# Altium PCB SoDeRa-PCIe_1v0.PcbDoc (part 8 of 8)
Units mm, origin at the board's own origin, x right, y up, seen from the top; angles counter-clockwise.
Board outline 136.85 x 68.9 mm, 12 copper layers (Top, L2, L3, L4, L5, L6, L7, L8, L9, L10, L11, Bottom), stack 1.638 mm thick; 750 components, 495 nets, 3617 pads, 1756 vias.
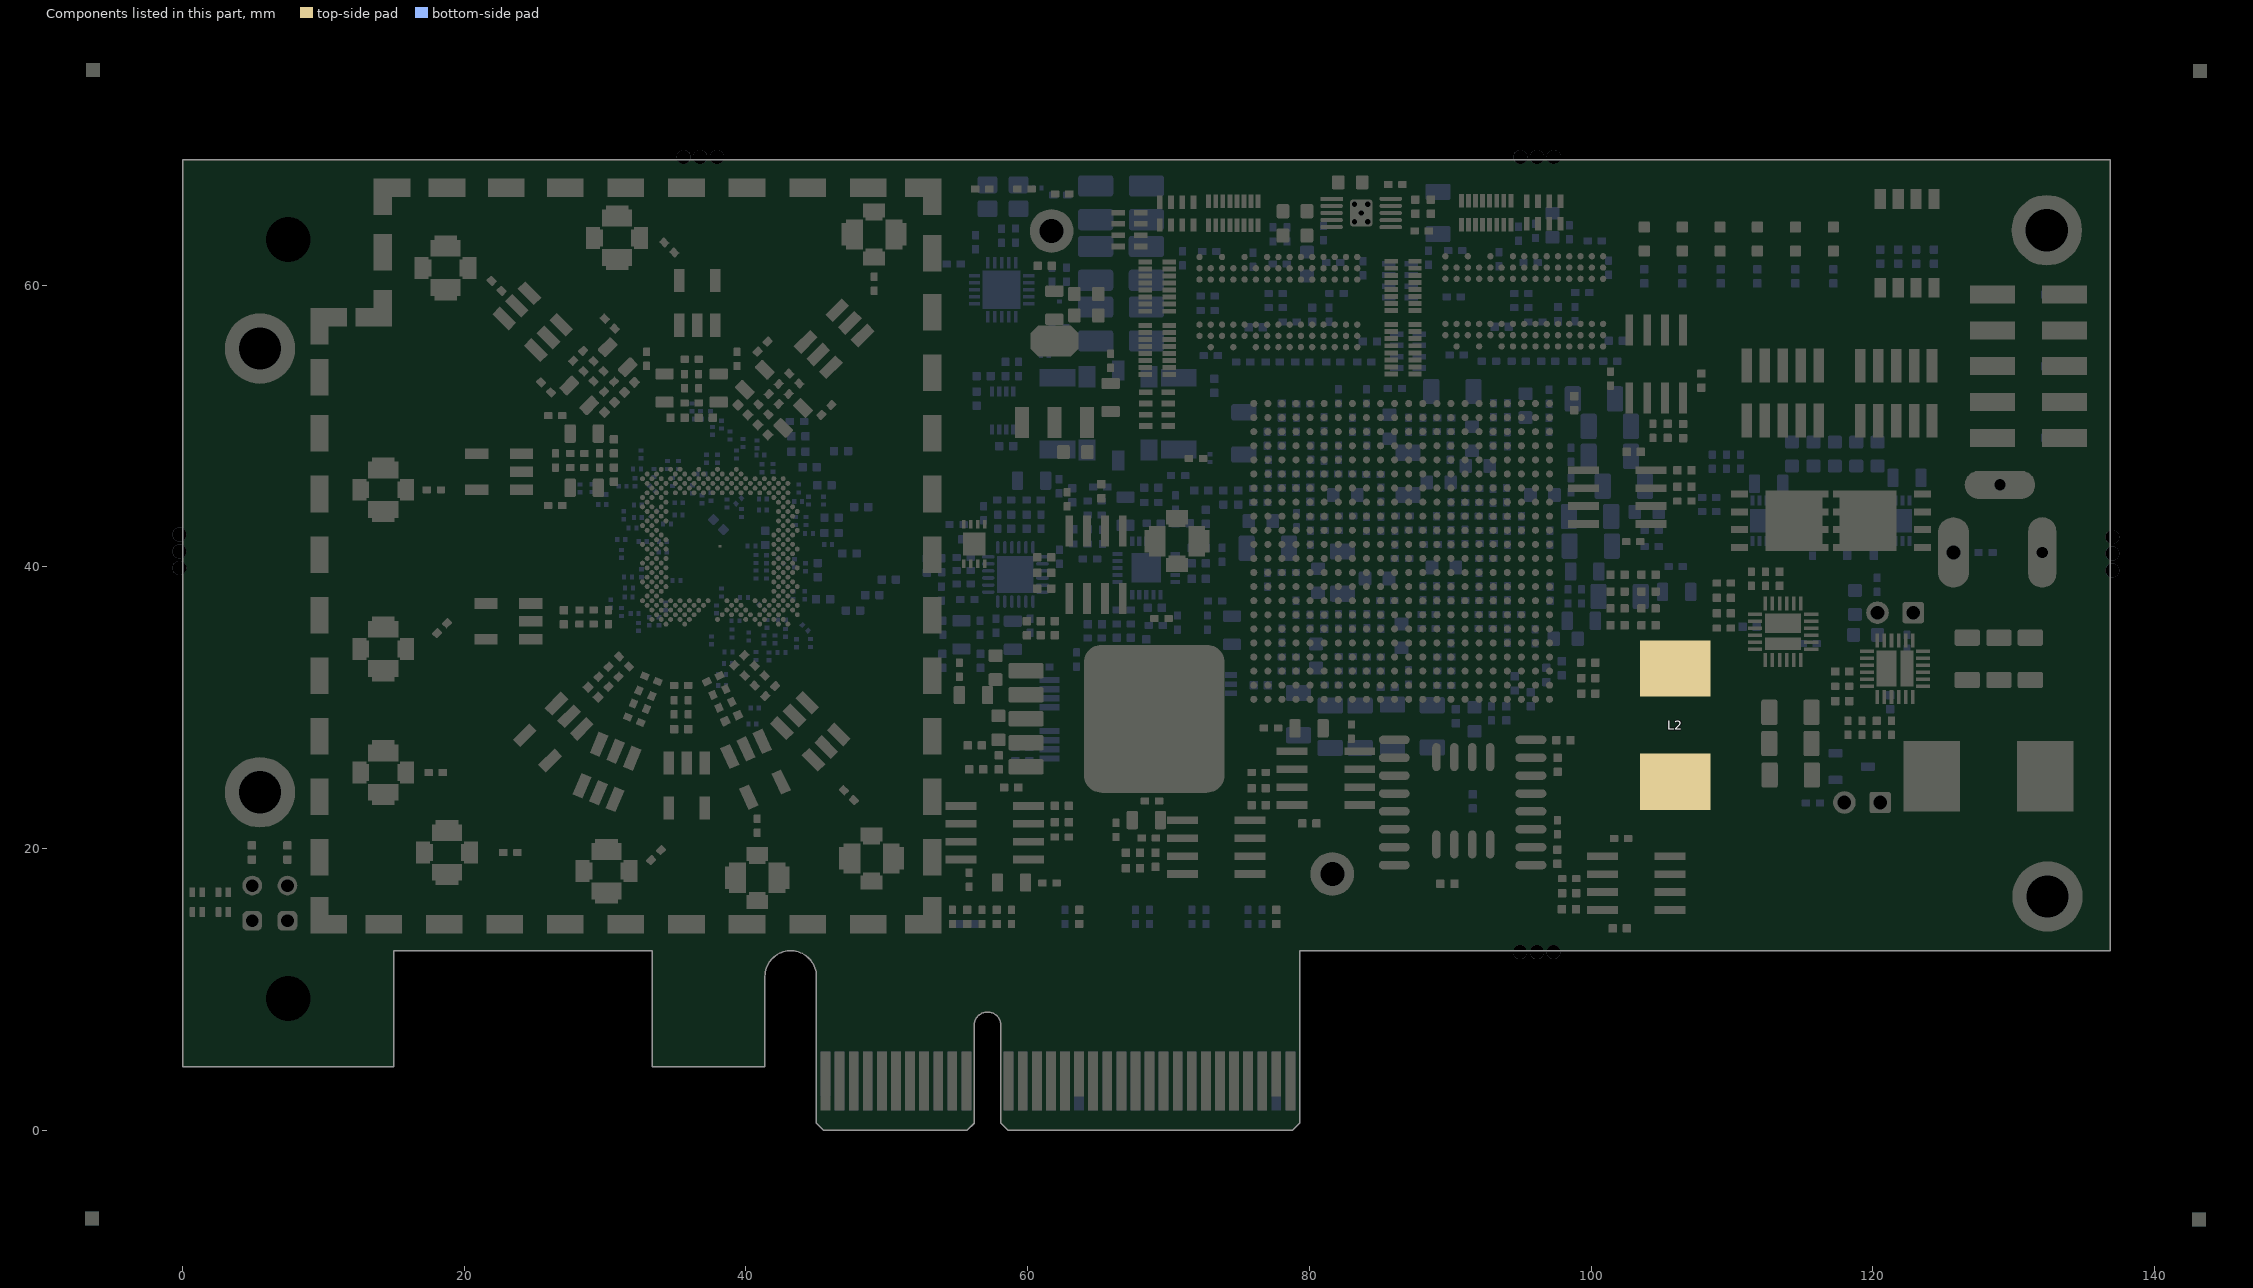
[diagram p18: the components of this part, seen from the top]

## Other copper
Top:
  region net NetC350_1: 124.275,44.45 124.275,45.475 124.175,45.575 123.9,45.575 123.775,45.7 123.775,46.975 124.75,46.975 127.275,44.45
  region net VCC3P3_PCIE: 53,6.275 53.825,7.1 53.825,8.45 53.6,8.675 52.525,8.675 52.3,8.45 52.3,6.85 52.325,6.85 52.9,6.275
  pour cut-out: 10.375,15.275 10.375,57.075 14.875,57.075 14.875,66.275 52.6,66.275 52.6,15.225
  region net VREF_DDR2: 84.975,64.15 84.975,63.925 85.475,63.425 87.7,63.425 87.775,63.5 87.775,64.2 87.7,64.275 85.1,64.275
  region net VCC3P3: 81.899,27.787 81.9,25.65 81.7,25.45 80.8,25.45 80.574,25.675 80.574,27.787
  region net NetC350_1: 122.9,44.45 122.5,44.05 122.5,38.4 123.2,37.7 127.4,37.7 128,38.3 128,43.975 127.525,44.45
  region net VCC12P0_PCIE: 48,5.55 48,8.95 47.425,9.525 45.875,9.525 45.3,8.95 45.3,5.55
  region net VCC1P8_DDR2: 80.85,65.475 80.525,65.8 80.525,66.25 80.825,66.55 80.825,67.575 81.05,67.8 82.475,67.8 82.775,67.5 82.775,65.875 82.375,65.475
  region net VTT_DDR2: 78.975,63.475 78.975,65.45 79.375,65.85 80.25,65.85 80.825,65.275 82.075,65.275 82.075,64.975 80.85,64.975 80.65,64.775 80.65,64.475 80.85,64.275 81.9,64.275 82.187,63.987 81.225,63.025 79.425,63.025
  region net NetC385_1: 111.625,38.9 111.625,37.275 112.125,36.775 112.125,36.525 111.125,36.525 110.3,37.35 109.625,37.35 109.625,38.1 110.175,38.1 110.975,38.9
  region net NetC374_2: 112.125,34.775 112.35,35 114.9,35 115.125,34.775 115.35,34.775 115.35,34.525 115.125,34.525 114.7,34.1 112.7,34.1 112.5,33.9 112.5,32.05 111.2,30.75 104.475,30.75 104.475,34.675 104.575,34.775
  region net VCC1P2: 113.4,30.55 113.05,30.9 111.85,30.9 110.525,29.575 104.725,29.575 103.45,28.3 103.45,22.7 112.35,22.7 113.4,23.75
  region net VCC1P8_LMS: 27.22,44.103 27.92,44.803 27.92,46.128 27.77,46.278 26.97,46.278 26.645,45.953 26.645,44.103
  region net GND: 25.945,44.103 25.645,43.803 25.22,43.803 25.095,43.928 25.095,44.778 25.22,44.903 25.645,44.903 25.945,44.603
  region net VCC1P8_LMS: 45.343,50.409 44.353,50.409 43.416,51.346 43.416,51.558 43.982,52.123 44.442,52.123 45.75,50.815
  region net VCC1P8_LMS: 27.22,51.002 27.92,50.302 27.92,48.977 27.77,48.827 26.97,48.827 26.645,49.152 26.645,51.002
  region net VCC1P8_LMS: 31.05,56.899 31.05,55.909 30.113,54.972 29.901,54.972 29.335,55.538 29.335,55.997 30.644,57.306
  region net GND: 29.796,57.448 29.371,57.448 29.071,57.748 29.071,57.925 29.672,58.526 29.849,58.526 30.149,58.225 30.149,57.801
  region net GND: 32.695,55.276 32.395,55.576 32.395,56.001 32.52,56.126 33.37,56.126 33.495,56.001 33.495,55.576 33.195,55.276
  region net VCC1P8_LMS: 32.695,54.001 33.395,53.301 34.72,53.301 34.87,53.451 34.87,54.251 34.545,54.576 32.695,54.576
  region net VCC1P8_LMS: 40.465,55.287 40.465,54.297 41.402,53.36 41.614,53.36 42.18,53.926 42.18,54.386 40.872,55.694
  region net GND: 41.367,56.189 41.367,56.613 41.667,56.913 41.844,56.913 42.445,56.312 42.445,56.136 42.144,55.835 41.72,55.835
  region net GND: 39.095,55.276 38.795,55.576 38.795,56.001 38.92,56.126 39.77,56.126 39.895,56.001 39.895,55.576 39.595,55.276
  region net VCC1P8_LMS: 39.594,54.001 38.894,53.301 37.569,53.301 37.419,53.451 37.419,54.251 37.744,54.576 39.594,54.576
  region net RXRF2_HAB_N: 34.999,35.531 35.024,35.731 34.924,35.631
  region net GND: 45.892,51.663 45.892,52.087 46.193,52.388 46.369,52.388 46.97,51.787 46.97,51.61 46.67,51.31 46.246,51.31
  region net GND: 42.124,40.606 41.424,40.606 41.424,41.106 41.724,41.106
  region net GND: 25.945,50.503 25.645,50.203 25.22,50.203 25.095,50.328 25.095,51.178 25.22,51.303 25.645,51.303 25.945,51.003
  region net VCC1P8_LMS: 26.172,52.021 27.162,52.021 28.099,52.957 28.099,53.17 27.533,53.735 27.073,53.735 25.765,52.427
  region net GND: 25.27,52.922 24.846,52.922 24.545,53.223 24.545,53.399 25.146,54 25.323,54 25.624,53.7 25.624,53.276
  region net RXRF2_WAB_N: 33.274,36.651 33.099,36.701 33.099,36.651
  region net RXRF2_WAB_N: 33.274,36.556 33.099,36.506 33.099,36.556
  region net RXRF2_HAB_P: 34.649,35.931 34.524,35.731 34.649,35.731
  region net TXRF1_1AB_P: 34.686,47.231 34.761,47.231 34.861,47.131
  region net TXRF2_1AB_P: 36.24,47.231 36.215,47.506 36.24,47.506
  region net TXRF2_1AB_N: 36.049,47.231 36.074,47.506 36.049,47.506
  region net TXRF2_1AB_P: 36.365,47.206 36.415,47.556 36.365,47.556
  region net TXRF2_1AB_N: 35.924,47.181 35.874,47.531 35.924,47.531
  region net NetC354_2: 122.199,31.276 121.974,31.501 121.974,34.051 122.199,34.276 122.199,34.501 122.449,34.501 122.449,34.276 122.874,33.851 122.874,31.851 123.074,31.651 124.374,31.651 126.179,29.846 126.179,23.626 122.299,23.626 122.199,23.726
  region net VCC3P3: 126.18,32.551 125.904,32.274 125.904,30.95 127.874,28.979 127.874,23.401 128.626,22.649 134.204,22.649 134.204,30.999 132.653,32.551
  region net NetC367_1: 118.324,30.776 119.699,30.776 120.199,31.276 120.449,31.276 120.449,30.276 119.474,29.301 119.474,28.926 118.974,28.926 118.974,29.526 118.324,30.176
  region net VCC12P0: 120.074,33.401 120.074,34.151 120.199,34.276 121.449,34.276 121.449,35.576 120.824,36.201 120.824,37.726 118.999,37.726 118.999,33.401
  region net GND: 31.925,64.16 31.925,66.01 31.65,66.285 29.65,66.285 28.1,64.735 28.1,63.36 29.875,63.36 29.875,64.16
  region net GND: 31.925,62.56 31.925,60.71 31.65,60.435 29.65,60.435 28.1,61.985 28.1,63.36 29.875,63.36 29.875,62.56
  region net GND: 48.3,62.525 46.45,62.525 46.175,62.8 46.175,64.8 47.725,66.35 49.1,66.35 49.1,64.575 48.3,64.575
  region net GND: 49.9,62.525 51.75,62.525 52.025,62.8 52.025,64.8 50.475,66.35 49.1,66.35 49.1,64.575 49.9,64.575
  region net GND: 19.75,60.425 19.75,58.575 19.475,58.3 17.475,58.3 15.925,59.85 15.925,61.225 17.7,61.225 17.7,60.425
  region net GND: 19.75,62.025 19.75,63.875 19.475,64.15 17.475,64.15 15.925,62.6 15.925,61.225 17.7,61.225 17.7,62.025
  region net GND: 15.325,44.675 15.325,42.825 15.05,42.55 13.05,42.55 11.5,44.1 11.5,45.475 13.275,45.475 13.275,44.675
  region net GND: 15.325,46.275 15.325,48.125 15.05,48.4 13.05,48.4 11.5,46.85 11.5,45.475 13.275,45.475 13.275,46.275
  region net GND: 15.325,33.375 15.325,31.525 15.05,31.25 13.05,31.25 11.5,32.8 11.5,34.175 13.275,34.175 13.275,33.375
  region net GND: 15.325,34.975 15.325,36.825 15.05,37.1 13.05,37.1 11.5,35.55 11.5,34.175 13.275,34.175 13.275,34.975
  region net GND: 15.325,24.6 15.325,22.75 15.05,22.475 13.05,22.475 11.5,24.025 11.5,25.4 13.275,25.4 13.275,24.6
  region net GND: 15.325,26.2 15.325,28.05 15.05,28.325 13.05,28.325 11.5,26.775 11.5,25.4 13.275,25.4 13.275,26.2
  region net GND: 19.85,18.925 19.85,17.075 19.575,16.8 17.575,16.8 16.025,18.35 16.025,19.725 17.8,19.725 17.8,18.925
  region net GND: 19.85,20.525 19.85,22.375 19.575,22.65 17.575,22.65 16.025,21.1 16.025,19.725 17.8,19.725 17.8,20.525
  region net GND: 31.175,17.6 31.175,15.75 30.9,15.475 28.9,15.475 27.35,17.025 27.35,18.4 29.125,18.4 29.125,17.6
  region net GND: 31.175,19.2 31.175,21.05 30.9,21.325 28.9,21.325 27.35,19.775 27.35,18.4 29.125,18.4 29.125,19.2
  region net GND: 41.6,19 43.45,19 43.725,18.725 43.725,16.725 42.175,15.175 40.8,15.175 40.8,16.95 41.6,16.95
  region net GND: 40,19 38.15,19 37.875,18.725 37.875,16.725 39.425,15.175 40.8,15.175 40.8,16.95 40,16.95
  region net GND: 49.716,20.375 51.566,20.375 51.841,20.1 51.841,18.1 50.291,16.55 48.916,16.55 48.916,18.325 49.716,18.325
  region net GND: 48.116,20.375 46.266,20.375 45.991,20.1 45.991,18.1 47.541,16.55 48.916,16.55 48.916,18.325 48.116,18.325
  region net GND: 39.608,47.225 39.05,47.225 38.963,47.313 39.15,47.5 39.65,47.5
  region net NetC396_2: 66.815,51.425 66.815,47.925 66.44,47.55 63.79,47.55 63.665,47.675 63.665,51.7 63.965,52 66.24,52
  region net NetC393_2: 60.79,49.125 60.79,51.825 59.465,53.15 59.465,57.15 60.665,58.35 61.415,58.35 61.415,49.125
  region net NetC393_2: 61.415,49.125 62.385,49.125 62.385,58.35 61.415,58.35
  region net NetC393_2: 63.01,49.125 63.01,51.825 64.335,53.15 64.335,57.15 63.135,58.35 62.385,58.35 62.385,49.125
  region net NetC394_2: 61.14,59.175 61.54,58.775 63.765,58.775 63.765,60.85 63.715,60.9 61.365,60.9 61.14,60.675
  region net VCC12P0: 65.265,54.425 64.89,54.05 64.89,52.825 65.09,52.625 66.64,52.625 66.84,52.825 66.84,54.05 66.465,54.425
  region net VCC3P3: 82.624,28.512 81.899,27.787 80.574,27.787 80.574,29.287 83.074,29.287 83.324,29.037 83.324,28.512
  region net NetC357_2: 79.374,29.287 79.924,28.737 79.924,25.337 79.774,25.187 77.749,25.187 77.599,25.337 77.599,28.087 77.474,28.212 77.474,28.912 77.849,29.287
  region net NetC358_2: 76.599,23.912 76.7,23.812 79.949,23.812 80.124,23.987 80.124,24.612 79.949,24.787 76.674,24.787 76.599,24.712
  region net NetIC19_4: 76.599,23.436 79.824,23.436 79.949,23.312 79.949,21.586 79.799,21.437 77.899,21.437 76.599,22.737
  region net NetIC25_4: 62.226,22.689 59,22.689 58.876,22.813 58.876,24.539 59.026,24.689 60.926,24.689 62.226,23.389
  region net NetC380_2: 62.225,22.213 62.125,22.313 58.876,22.313 58.701,22.139 58.701,21.514 58.876,21.339 62.151,21.339 62.226,21.413
  region net NetC379_2: 59.451,16.839 58.901,17.389 58.9,20.788 59.051,20.939 61.076,20.939 61.226,20.789 61.226,18.038 61.351,17.913 61.351,17.214 60.976,16.839
  region net VCC3P3: 56.2,17.614 56.925,18.338 58.251,18.339 58.251,16.839 55.751,16.839 55.501,17.088 55.501,17.614
  region net NetC392_2: 58.325,32.45 58.325,31.975 58.6,31.7 61.175,31.7 61.325,31.55 61.325,30.225 61.2,30.1 56.75,30.1 56.75,32.075 57.125,32.45
  region net NetC389_2: 61.35,28.375 57.15,28.375 56.45,27.675 56.45,26.975 57.1,26.325 58.3,26.325 58.3,26.475 58.525,26.7 58.55,26.675 61.35,26.675
  region net NetC365_2: 69.025,21.275 69.45,21.275 69.9,20.825 69.9,20.45 72.15,20.45 72.225,20.525 72.225,22.3 71.75,22.775 69.025,22.775
  region net NetC366_2: 72.175,19.975 69.975,19.975 69.75,20.2 69.75,20.725 69.375,21.1 68.8,21.1 68.725,21.025 68.725,19.4 69.425,19.4 69.9,18.925 72.175,18.925
  region net NetIC22_4: 72.175,18.7 69.825,18.7 69.475,19.05 67.775,19.05 67.675,18.95 67.675,18.25 67.675,17.9 68.225,17.35 72.175,17.35
  region net NetC366_2: 68.921,20.521 68.45,20.05 67.675,20.05 67.675,19.35 69.653,19.35
  region net VCC3P3: 67.825,22.775 66.425,22.775 66.025,22.375 66.025,21.675 66.425,21.275 67.825,21.275
  region net VCC3P3: 103.651,40.663 103.101,41.213 103.101,44.613 103.251,44.763 105.276,44.763 105.426,44.613 105.426,41.863 105.551,41.738 105.551,41.038 105.176,40.663
  region net NetIC26_4: 106.426,46.513 103.2,46.513 103.076,46.638 103.076,48.363 103.226,48.513 105.126,48.513 106.426,47.213
  region net NetC391_2: 106.426,46.038 106.325,46.138 103.076,46.138 102.901,45.963 102.901,45.338 103.076,45.163 106.351,45.163 106.426,45.238
  region net VCC12P0: 112.375,45.425 112.375,41.125 121.675,41.125 121.675,45.425
  region net VCC12P0_PCIE: 111.125,45.45 111.15,45.425 111.15,42.375 111.075,42.3 109.85,42.3 109.75,42.4 109.75,45.4 109.8,45.45
  region net NetIC24_4: 106.179,49.828 106.179,53.053 106.303,53.178 108.029,53.178 108.178,53.028 108.178,51.128 106.878,49.828
  region net NetC377_2: 105.703,49.828 105.803,49.929 105.803,53.178 105.628,53.353 105.004,53.353 104.829,53.178 104.829,49.903 104.903,49.828
  region net VCC3P3: 100.328,52.603 100.879,53.153 104.278,53.153 104.428,53.003 104.428,50.978 104.278,50.828 101.528,50.828 101.403,50.703 100.703,50.703 100.328,51.078
  region net NetIC16_4: 98.638,15.987 101.863,15.987 101.987,15.863 101.987,14.138 101.838,13.988 99.937,13.988 98.637,15.288
  region net NetC352_2: 98.638,16.463 98.738,16.363 101.987,16.363 102.163,16.538 102.163,17.163 101.987,17.338 98.712,17.338 98.637,17.263
  region net VCC3P3: 101.71,21.215 101.962,20.962 101.962,17.888 101.812,17.738 99.787,17.738 99.637,17.888 99.637,20.938 99.915,21.215
  region net VCC12P0: 121.675,41.125 121.675,35.801 119.349,33.475 119.025,33.475 116.975,35.525 115.125,35.525 115.125,36.775 115,36.9 114.25,36.9 114.25,39.25 114.25,40 113.963,40.287 113.213,40.288 112.375,41.125
  region net VCC3P3_CLK: 72.075,48.055 72.075,44.65 72.425,44.3 73.15,44.3 73.25,44.4 73.25,45.025 73.05,45.225 73.05,45.65 73.2,45.8 73.2,47.65 72.795,48.055
  region net VCC2P5: 98.237,17.187 97.663,17.187 97.375,17.475 96.5,17.475 96.35,17.325 96.35,16.35 96.525,16.175 97.3,16.175 97.612,16.487 98.237,16.487
  region net VCC3P3: 66.875,22.75 66,23.625 65.125,23.625 64.5,23 64.5,22.075 65.3,21.275 66.875,21.275
  region net VCC1P25_LMS: 62.625,22.35 63.35,22.35 63.525,22.525 63.525,22.975 63.625,23.075 64.175,23.075 64.325,22.925 64.325,21.867 63.745,21.325 62.625,21.325
  region net VCC3P3: 54.525,32.5 54.075,32.05 54.075,30.25 54.3,30.025 55.425,30.025 55.725,30.325 55.725,32.275 55.5,32.5
  region net VCC1P25_LMS_DIG: 56.05,28.025 55.9,28.175 55.1,28.175 54.95,28.025 54.95,26.575 55.075,26.45 55.9,26.45 56.05,26.6
  region net VCC1P4_LMS: 67.275,19.35 67.025,19.1 66.25,19.1 66.075,19.275 66.075,20.025 66.325,20.275 66.575,20.275 66.775,20.475 67.275,20.475
  region net NetC365_2: 69.025,23.725 69.025,22.775 70.675,22.775 69.725,23.725
  region net VCC1P8_DDR2: 105.079,49.453 105.078,48.771 105.925,47.925 107.025,47.925 107.025,48.6 106.35,48.6 106,48.95 106,49.35 105.897,49.453
  region net VCC3P3: 61.525,42.075 62.775,43.325 62.775,42.075
  region net VCC3P3: 55.45,42.675 55.275,42.675 55.2,42.75 55.2,43.8 55.3,43.9 55.45,43.9
  region net VCC3P3: 55.45,42.675 55.625,42.675 55.7,42.75 55.7,43.8 55.6,43.9 55.45,43.9
  region net VCC12P0_PCIE: 111.15,46.425 110.925,46.65 109.375,46.65 109.225,46.5 109.225,42.925 109.85,42.3 111.075,42.3 111.15,42.375
  region net VCC1P8: 106.826,45.338 106.914,45.25 108.45,45.25 108.6,45.4 108.6,46.4 108.375,46.625 107.925,46.625 107.6,46.3 106.826,46.3
  region net VCC1P8_LMS: 76.199,23.575 75.375,23.575 75.025,23.225 74.475,23.225 74.275,23.425 74.275,24.675 74.45,24.85 76.2,24.85
  region net VCC12P0: 64.89,52.825 64.89,52.435 65.125,52.2 66.675,52.2 67.1,52.625 67.1,53.79 66.84,54.05
  region net NetC394_2: 63.765,60.85 63.765,61.135 63.175,61.725 61.41,61.725 61.41,61.025 61.14,60.755 61.14,60.675
  region net VCC3P3_CLK: 61.01,61.725 60.085,62.65 58.95,62.65 58.725,62.425 58.725,60.875 60.125,59.475 60.9,59.475 60.975,59.55 60.975,60.05 60.85,60.175 60.65,60.175 60.375,60.45 60.375,60.875 60.575,61.075
  region net VCC3P3_PCIE: 54.3,15.35 54.3,16.175 54.625,16.5 56.825,16.5 57.05,16.275 57.05,15.65 56.75,15.35
  region net VCC3P3_PCIE: 58.6,15.65 58.6,16.45 58.7,16.55 59,16.55 59.1,16.45 59.1,15.65
L2:
  region net NetC350_1: 122.9,45.125 122.65,44.875 122.3,45.085 122.3,45.55 122.55,45.775 122.9,45.775 122.9,46.8 121.75,45.55 121.75,43.975 121.75,39.15 123.2,37.7 127.4,37.7 128,38.3 128,43.975 127.525,44.45 127.1,44.45 124.75,46.8 122.9,46.8
  region net VCC12P0_PCIE: 111.75,41.05 111.75,41.625 109.35,44.025 109.35,46.45 109.675,46.775 112.1,46.775 112.625,46.25 112.625,41.35 112.325,41.05
L5:
  region net VDIO_LMS: 42.025,42.725 41.875,42.575 41.325,42.575 41.15,42.75 41.15,43.35 41.325,43.525 41.9,43.525 42.025,43.4 42.025,43.15 42.2,42.975 42.2,42.875
L10:
  region net VCC1P25_LMS: 49.4,53.3 50.675,53.3 51.175,53.8 51.725,53.8 51.9,53.975 51.9,54.6 51.2,55.3 49.475,55.3
  region net VCC1P25_LMS: 52.775,29.65 51.825,29.65 51.35,29.175 51.35,28.75 51.4,28.7 52.775,28.7
  region net VCC1P25_LMS: 21.275,41.625 21.275,39.6 21.775,39.1 21.775,41.125
  text "A" at 127.575,17.375 h0.7
  text "V" at 128.575,17.375 h0.7
  text "L" at 128.05,16.8 h0.7
  text "D" at 127.8,15.175 h0.7
  text "R" at 128.35,15.175 h0.7
Bottom:
  region net VCC12P0: 119.6,41.475 119.8,41.675 119.8,41.975 119.775,42 118.625,42 118.475,41.85 118.475,41.725 118.625,41.575 118.625,40.95 118.625,40.7 118.75,40.575 119.525,40.575 119.6,40.65
  region net VCC12P0: 121.65,42.275 121.75,42.175 121.75,41.475 121.425,41.475 121.025,41.875 121.025,42.275
  region net GND: 34.625,35.375 33.3,34.05 26.875,34.05 25.95,33.125 25.95,30.875 21.525,26.45 16.1,26.45 16.1,47.675 19.35,47.675 19.35,65.15 26.175,65.15 32.925,58.4 36.05,58.4 36.05,67.7 19.35,67.7 12.85,67.7 12.85,58.35 1.15,58.35 1.15,18.35 8.125,18.35 8.55,17.925 8.55,14.025 51.9,14.025 56,18.125 57.866,18.125 58.825,19.084 58.825,25.5 42.187,25.5 36.75,30.937 36.75,35.375
  region net NetC350_1: 124.7,43.375 125.45,44.125 125.45,46.3 124.675,47.075 123.025,47.075 123.025,44.15 123.8,43.375
  region net VCC3P3_PCIE: 55,5.55 55,8.45 54.675,8.775 52.525,8.775 52.25,8.5 52.25,7.275 53.3,6.225 53.3,5.55 53.975,5.55
  region net VDIO_LMS_FPGA: 54.55,34.575 54.95,34.975 55.65,34.975 56.05,34.575
  region net NetJ14_1: 118.75,24.625 119.35,24.025 119.35,22.325 119.775,21.9 122.45,21.9 122.8,22.25 122.8,26.125 122.1,26.825 119.15,26.825 118.75,26.425
  region net NetC350_1: 120.25,41.475 120.325,41.475 120.625,41.175 125.575,41.175 125.725,41.025 125.725,40.3 125,39.575 121.125,39.575 120.25,40.45
  region net NetC340_2: 61.35,54.825 62.608,54.825 62.728,54.945 62.328,55.345 61.378,55.345 61.35,55.317
  region net VCC12P0_PCIE: 46.3,5.55 48,5.55 48,8.95 47.425,9.525 46.875,9.525 46.3,8.95
  region net NetC309_2: 71.161,32.11 71.161,32.485 71.686,33.01 72.061,33.01 72.061,33.71 71.986,33.785 70.436,33.785 70.361,33.71 70.361,32.11
  region net VCC1P25_LMS_DIG: 51.75,39.875 51.5,40.125 51.025,40.125 50.35,39.45 50.35,38.75 51.625,38.75 51.75,38.875
  region net NetC77_1: 44.387,35.733 44.529,35.875 45.1,35.875 45.124,35.851 45.124,34.72
  region net VDIO_LMS: 68.15,32.2 68.15,30.45 66.725,30.45 66.725,32.2
  region net NetC374_2: 115.325,34.8 115.325,34.3 112.6,34.3 112.5,34.4 112.5,34.7 112.6,34.8
  region net NetC354_2: 122.174,34.476 122.674,34.476 122.674,31.751 122.574,31.651 122.274,31.651 122.174,31.751
  region net +1.8V_DIG_LMK: 62.625,43.437 61.675,43.437 61.275,43.037 60.7,43.037 60.425,42.762 60.425,40.962 60.55,40.962 62.625,43.037
  region net VCC3P3_CLK: 68.775,38.375 68.775,37.55 69.275,37.55 69.275,36.6 69.95,36.6 69.95,38.375
  region net GND: 69.95,41.075 69.95,42.525 69.925,42.55 68.775,42.55 68.775,41.075
  region net GND: 69.875,38.875 69.125,38.875 69.125,41.125 69.875,41.125
  region net NetC315_2: 68.075,41.475 68.075,42.6 66.875,42.6 66.875,41.475
  region net GND: 67.575,38.5 66.825,38.5 66.825,41.35 67.575,41.35
  region net GND: 71.45,42.45 71.225,42.45 71.225,42.65 71.45,42.65
  region net GND: 71.375,42.28 71.505,42.28 72.25,43.025 72.25,43.65 72.225,43.675 71.375,43.675
  region net NetC298_2: 57.825,52.8 59.125,52.8 59.125,52.1 57.825,52.1
  region net NetIC12_2: 58.625,50.1 57.825,50.1 57.825,49.4 58.625,49.4
  region net GND: 40.422,40.688 39.847,41.263 39.847,41.663 39.997,41.813 40.872,41.813 40.872,42.863 41.547,43.538 41.372,43.713 40.797,43.138 38.597,43.138 38.922,42.813 38.922,42.563 38.497,42.138 38.322,42.138 37.547,42.913 36.897,43.563 35.897,43.563 35.722,43.388 35.097,43.388 35.097,41.013 34.622,40.538 34.622,39.363 35.472,39.363 35.597,39.238 35.597,38.838 35.472,38.713 35.022,38.713 34.622,38.313 34.622,35.402 34.622,30.926 36.772,30.926 36.772,37.638 36.772,37.338 37.397,37.963 37.397,38.263 37.522,38.388 38.747,38.388 38.947,38.188 40.422,38.188
  region net NetC77_1: 44.387,35.733 43.874,35.22 43.874,34.92 43.874,34.795 43.974,34.695 45.099,34.695 45.124,34.72 45.124,34.995
  region net GND: 37.399,43.695 37.399,44.22 35.774,44.22 35.774,43.695
  region net GND: 42.977,38.591 42.977,39.424 43.174,39.62 44.099,39.62 44.124,39.595 44.124,38.395 44.024,38.295 43.273,38.295
  region net NetC26_1: 41.324,38.695 41.924,38.695 42.124,38.895 42.124,38.995 41.824,39.295 41.324,39.295
  region net VDIO_LMS: 42.149,42.845 41.599,42.295 41.349,42.295 41.349,42.82 41.749,43.22 41.949,43.22 42.149,43.02
  region net NetC64_1: 38.699,36.47 38.699,35.945 38.599,35.845 38.324,35.845 38.299,35.87 38.299,36.17 38.524,36.395 38.642,36.513
  region net GND: 38.524,37.245 38.374,37.095 37.774,37.095 37.774,37.42 37.949,37.595 38.399,37.595
  region net +3.3V_DIG_LMK: 60.462,36.025 60.462,36.563 60.075,36.95 60.075,37.95 60,38.025 59.775,38.025 59.7,37.95 59.7,37.175 59.5,36.975 58.2,36.975 58.088,37.088 58.088,37.913 58.025,37.975 57.775,37.975 57.725,37.925 57.725,36.05 57.75,36.025
  region net +1.8V_DIG_LMK: 62.625,43.437 62.625,44 62.425,44.2 61.725,44.2 61.675,44.15 61.675,43.437
  region net NetC296_2: 73.3,49.175 72.175,49.175 71.95,48.95 71.95,47.7 72.025,47.625 72.45,47.625 72.675,47.85 73.25,47.85 73.3,47.9
  region net VCC1P25_LMS: 41.7,32.7 41.075,32.7 40.55,33.225 40.55,33.525 41.5,33.525 41.674,33.351
  region net VCC1P25_LMS: 32.25,41.975 31.65,41.375 31.575,41.375 31.575,40.823 31.636,40.761 33,40.761 33,41.15 32.55,41.6 32.55,41.975
  region net NetC46_1: 38.45,49.975 38.45,49.025 38.55,48.925 38.4,48.775 38.35,48.775 37.75,49.375 37.625,49.375 38.075,49.825 38.075,49.975
  region net VCC1P25_LMS: 35.75,45.65 36.375,45.65 36.55,45.825 36.55,46.225 36.725,46.4 36.725,47.525 37.05,47.85 37.35,47.85 37.5,48 37.5,48.35 36.9,48.95 35.4,48.95 35.075,48.625 35.075,48.225 35.75,47.55
  region net NetC338_2: 62.123,67.772 61.22,67.772 60.82,67.372 60.82,67.052 60.975,66.897 61.948,66.897 62.123,67.072
  region net NetC338_2: 62.123,66.022 61.22,66.022 60.82,66.422 60.82,66.742 60.975,66.897 61.948,66.897 62.123,66.722
  region net NetC340_2: 61.378,56.248 61.378,55.345 61.778,54.945 62.098,54.945 62.253,55.1 62.253,56.073 62.078,56.248
  region net NetC340_2: 63.128,56.248 63.128,55.345 62.728,54.945 62.408,54.945 62.253,55.1 62.253,56.073 62.428,56.248
  region net NetC336_2: 63.126,60.55 63.126,59.648 62.726,59.248 62.406,59.248 62.251,59.403 62.251,60.375 62.426,60.55
  region net NetC336_2: 61.376,60.55 61.376,59.648 61.776,59.248 62.096,59.248 62.251,59.403 62.251,60.375 62.076,60.55
  region net NetIC18_4: 122.775,42.45 119,42.45 118.6,42.85 118.6,43.75 118.95,44.1 122.775,44.1
  region net VCC12P0: 112.3,46.575 113.35,47.625 117.525,47.625 117.825,47.325 117.825,41.75 117.575,41.5 113.925,41.5 113.35,42.075 113.35,43.825 112.875,44.3 112.3,44.3
  region net VCC12P0: 122.225,47.05 121.65,47.625 117.525,47.625 117.525,41.55 117.575,41.5 118.3,42.225 118.3,43.825 118.825,44.35 120.6,44.35 121.45,44.35 121.75,44.65 121.75,45.5 122.225,45.975
  region net VDIO_LMS_FPGA: 53.6,33.525 53.6,34.25 53.925,34.575 54.9,34.575 55.3,34.175 55.3,33.525
  region net VDIO_LMS_FPGA: 57,33.525 57,34.25 56.675,34.575 55.7,34.575 55.3,34.175 55.3,33.525
  region net VDIO_LMS: 53.725,35.775 53.625,35.875 53.625,36.7 53.9,36.975 55.3,36.975 55.3,36.175 55.3,35.775
  region net VDIO_LMS: 56.875,35.775 56.975,35.875 56.975,36.7 56.7,36.975 55.3,36.975 55.3,36.175 55.3,35.775
  region net +1.8V_DIG_LMK: 60.875,45.375 61.225,45.375 61.675,44.925 61.675,44.15 61.825,44 62.625,44 62.675,44.05 62.675,45.5 62.525,45.65 62.1,45.65 61.825,45.925 61.825,46.875 60.95,46.875 60.875,46.875
  region net NetC291_2: 72.7,45.125 74.65,45.125 75.25,45.125 75.25,45.725 73,45.725 72.7,45.425
  region net VCC3P3_CLK: 73.175,46.875 72.925,46.625 72.925,46.1 72.775,45.95 72.35,45.95 72.125,46.175 72.125,47.05 72.675,47.6 73.175,47.6
  region net VCC3P3: 54.7,33.125 54.925,32.9 54.925,30.275 54.5,29.85 53.55,29.85 53.15,30.25 53.15,32.925 53.35,33.125
  region net VCC2P5: 106.675,37.2 106.825,37.05 107.975,37.05 108.125,37.2 108.125,38.825 107.925,39.025 106.725,39.025 106.675,38.975
  region net VCC2P5: 73.75,34.9 73.75,33.775 74.025,33.5 75.025,33.5 75.25,33.725 75.25,34.9
  region net VCC12P0_PCIE: 108.575,43.575 108.575,47.175 108.7,47.3 111.45,47.3 112,46.75 112,45.625 111.625,45.25 111.025,45.25 110.7,44.925 110.7,43.975 110.3,43.575
  region net VCC1P8_DDR2: 88.2,62.45 88.2,64.1 88.325,64.225 90.05,64.225 90.15,64.125 90.15,62.45
  region net VCC1P2: 99.8,36.825 99.425,36.45 99.425,35.95 99.9,35.475 99.9,34.875 100.05,34.725 100.85,34.725 101.05,34.925 101.05,36.625 100.85,36.825
  region net VCC1P2: 100.775,40.325 100.65,40.45 100.65,42.175 100.3,42.525 99.05,42.525 98.9,42.375 98.9,40.775 99.275,40.4 99.3,40.425 100.275,39.45 100.775,39.45
  region net VCC1P8_LMS: 58.875,47.25 58.725,47.4 58.725,47.9 58.9,48.075 59.65,48.075 59.825,47.9 59.825,47.4 59.675,47.25
  region net VCC2P5: 57,33.125 55.875,33.125 55.75,33 55.75,32.15 55.925,31.975 56.85,31.975 57,32.125
  region net VCC12P0: 112.3,42.2 112.3,40.875 112.9,40.275 113.6,40.275 113.875,40.55 113.875,41.125 112.8,42.2
  region net VCC2P5A_FPGA: 96.025,35.275 96.2,35.275 96.75,34.725 96.75,34.5 96.85,34.4 97.125,34.4 97.169,34.444 97.169,35.6 96.969,35.8 96.025,35.8
  region net VCC2P5A_FPGA: 96.497,35.728 96.1,36.125 95.1,36.125 94.775,35.8 94.775,35.5 96.497,35.5

## Silkscreen, mask and mechanical layers (free items; w line width, h text height)
TopOverlay:
  drawing of 3210 lines, arcs and shapes, not listed
  text "GND" at 64.95,62.55 h0.8 r90
  text "10" at 129.1,60.6 h0.7 r90
  text "9" at 134.2,60.6 h0.7 r90
  text "ADF_LOCK" at 105.45,60.325 h0.7 r90
  text "FPGA LED5" at 113.48,60.325 h0.7 r90
  text "FPGA LED3" at 108.18,60.3 h0.7 r90
  text "FPGA LED4" at 110.83,60.3 h0.7 r90
  text "FPGA LED6" at 116.205,60.3 h0.7 r90
  text "VDD3P3 PWR" at 102.875,60.225 h0.7 r90
  text "TXRF1_B" at 28.525,59.95 h0.9 r90
  text "TXRF2_B" at 46.525,59.75 h0.9 r90
  text "FPGA SWITCH" at 119.175,59.225 h0.7 r90
  text "1" at 123.425,58.25 h0.7 r90
  text "3" at 120.825,58.15 h0.7 r90
  text "2" at 122.125,58.125 h0.7 r90
  text "0" at 124.725,58.125 h0.7 r90
  text "TXRF2_A" at 16.45,57.75 h0.9 r90
  text "JTAG" at 126.3,54.2 h0.7 r90
  text "DDR2 #2" at 93.05,53.225 h0.7
  text "DDR2 #1" at 75.4,53.2 h0.7
  text "FPGA" at 126.3,50.975 h0.7 r90
  text "FPGA" at 112.275,47.325 h0.7
  text "FPGA" at 120.125,47.3 h0.7
  text "1" at 134.225,47.225 h0.7 r90
  text "2" at 129.125,47.025 h0.7 r90
  text "GPIO(7-0)" at 118.85,46.325 h0.7
  text "GPIO(15-8)" at 110.7,46.3 h0.7
  text "o" at 56,44.625 h1.2 r90
  text "t" at 56.816,43.893 h2.1 r90
  text "TXRF1_A" at 11.9,42.1 h0.9 r90
  text "1" at 105.125,40.225 h0.75 r90
  text "0" at 101.95,40.075 h0.75 r90
  text "12V" at 119.2,39.15 h0.7
  text "0" at 100.825,38.925 h0.75 r90
  text "GND" at 121.875,38.55 h0.7
  text "OUT" at 119.225,38.15 h0.7
  text "1" at 100.825,37.9 h0.75 r90
  text "CLK" at 69.5,37.85 h0.75
  text "2" at 100.825,36.7 h0.75 r90
  text "REF" at 69.55,36.6 h0.75
  text "LMS7002M" at 31.75,35.75 h0.9 r90
  text "3" at 100.825,35.5 h0.75 r90
  text "FPGA MSEL" at 99.5,34.6 h0.75 r90
  text "RXRF2_W" at 11.975,31.075 h0.9 r90
  text "ALTERA CYCLONE V" at 75.325,30.9 h0.9 r90
  text "External 12V DC" at 135.75,30.075 h0.75 r90
  text "FPGA_LED1" at 7.2,28.55 h0.7 r90
  text "FPGA_LED2" at 8.4,28.55 h0.7 r90
  text "RXRF2_L" at 12.075,22.2 h0.9 r90
  text "FAN" at 116.7,20.575 h0.8
  text "12V" at 119.525,20.575 h0.8
  text "SoDeRa-PCIe" at 113.75,18.275 h2.5
  text "C" at 128.45,17.5 h1.2
  text "RFRX2_H" at 16.475,16.45 h0.9 r90
  text "v1.0" at 118.5,16.025 h2.5
  text "RXRF1_H" at 46.525,15.55 h0.9 r90
  text "RXRF1_W" at 27.8,15.35 h0.9 r90
  text "RXRF1_L" at 38.45,15.25 h0.9 r90
  text "GND" at 80.475,14.925 h0.8
  text "x4" at 72.568,7.834 h1.8
BottomOverlay:
  drawing of 1655 lines, arcs and shapes, not listed
  text "IC15" at 48.75,61.275 h0.7
  text "Unmarked components are / FPGA decoupling caps" at 121.725,52.55 h0.7
  text "x4" at 65.369,7.791 h1.8
Mechanical1:
  region: 55.7,0 56.2,0.5 56.2,1.4 45,1.4 45,0.5 45.5,0
  region: 78.8,0 79.3,0.5 79.3,1.4 68.1,1.4 68.1,0.5 68.6,0
  region: 58.6,0 58.1,0.5 58.1,1.4 69.3,1.4 69.3,0.5 68.8,0
  lines w0.1: 0,4.5 0,68.9 136.85,68.9 136.85,12.75 79.3,12.75 79.3,0.5 78.8,0 58.6,0 58.1,0.5 58.1,7.45 ccw(c57.15,7.45) 56.2,7.45 56.2,0.5 55.7,0 45.5,0 45,0.5 45,10.925 ccw(c43.175,10.925) 41.35,10.925 41.35,4.5 33.35,4.5 33.35,12.75 15,12.75 15,4.5 0,4.5
  lines w0.15: -30.9,-1 -24.6,-1 ; -30.9,1.9 -24.6,1.9 ; -30.35,-0.55 -29.9,-1 ; -30.35,1.45 -29.9,1.9 ; -29.45,-0.55 -29.9,-1 ; -29.45,1.45 -29.9,1.9 ; -26.979,10.208 -23.825,1.769 ; -26.266,8.3 cw(c-24.335,6.369) -24.335,9.1 -23.825,9.1 ; -24.625,-4.125 -24,-2.875 ; -23.425,-4.075 -24,-2.875 ; -21.379,0.5 -9.9,0.5 ; -2.3,0.5 44.175,0.5 ; 5.125,-32 -24,-32 -24,-2.875 ; 42.925,1.125 44.175,0.5 ; 42.975,-0.075 44.175,0.5 ; 80.825,3.975 79.625,3.4 ; 80.875,2.775 79.625,3.4 ; 84.3,-9.675 84.3,-11.625 151.3,-11.625 151.3,-29.175 147.2,-29.175 ; 84.35,-3.1 84.35,3.3 ; 84.35,3.4 79.625,3.4 ; -29.9,-1 -29.9,1.9
  lines w0.2: 216.925,-70.1 216.925,-58.25 ; 216.925,-55.25 216.925,-43.4 ; 205.475,-58.25 205.475,-55.25 ; 205.475,-58.25 233.225,-58.25 ; 205.475,-58.25 205.475,-70.1 233.225,-70.1 233.225,-58.25 ; 205.475,-55.25 233.225,-55.25 ; 205.475,-55.25 205.475,-43.4 ; 205.475,-43.4 233.225,-43.4 ; 205.475,-43.4 205.475,-40.4 233.225,-40.4 233.225,-43.4 ; 233.225,-58.25 233.225,-55.25 ; 233.225,-55.25 233.225,-43.4
  lines w0.25: -23.925,1.969 -23.925,6.575 ; -23.825,19.275 -23.825,1.769 -22.8,-0.974 -22.404,-0.974 -21.379,1.769 -21.379,19.275 ; -23.825,19.3 -21.4,19.3 ; -21.279,1.969 -21.279,6.575
  lines w0.3: -0.05,39 -3.725,39 -3.725,-3.625 94.05,-3.625 94.05,12.75 ; -0.05,43.2 -3.725,43.2 -3.725,72.575 34.65,72.575 34.65,68.9 ; 38.85,68.9 38.85,72.575 94.05,72.575 94.05,68.9 ; 98.25,12.85 98.25,-3.775 140.525,-3.775 140.525,38.85 136.85,38.85 ; 98.25,68.9 98.25,72.575 140.525,72.575 140.525,43.05 136.85,43.05 ; -9.25,-9.15 -9.25,78.1 146.05,78.1 146.05,-9.15 -9.25,-9.15
  lines w0.5: 93.5,-71.675 195.5,-71.675 ; 93.925,-58.65 195.925,-58.65 ; 94,-89.175 196,-89.175
  text "Board Cutout" at 54.15,80.05 h1.5
  text "PCI connector / edge chamfer" at -31.5,20 h1.5
  text "20 (+/- 5) / degrees" at -40,9.5 h1.5
  text "Chamfered area is shown as filled field" at 4,1 h1
  text "1.4 mm" at -40.2,-0.5 h1.5
  text "VERY IMPORTANT NOTES:" at 2.95,-14.95 h1.5
  text "- 0.35mm ring and 0.2mm drill via-in-pads (IC1) must be resin filled with metal cap / - Solder mask : DARK BLUE, both sides, halogen free, glossy finish (NOT matte) / - DRCs must be run on Gerber files before building boards / - Hole diameters are final manufactured diameters INCLUDING HOLE METALIZATION / - PCI EXPRESS pads (top and bottom) - 30 micro inches of gold over 50 micro inches nickel plating / - Board edge below PCI pads must be chamfered (as shown). Edges must be free of cutting burrs" at 5.45,-35 h1.5
  text "NOTES:" at 3.675,-36.875 h1.5
  text "STACKUP:" at 5.75,-39.4 h1.52
  text "PCB IMPEDANCE PARAMETERS:" at 89.925,-39.525 h1.5
  text "Top-L2 -> 173um thick" at 94.75,-42.15 h1.5
  text "ADDITIONAL LAYERS:" at 39.25,-42.4 h1.52
  text "FOOTPRINT STATUS" at 211.6,-42.6 h1.1
  text "Top: RF/GND" at 8.675,-42.775 h1.52
  text "TOP LAYER COPPER FOIL THICKNESS: 17.5 um" at 95,-44.9 h1.5
  text "L2: GND" at 8.7,-45.8 h1.52
  text "Mechanical 1: Board cutout/Notes" at 40.75,-45.9 h1.52
  text "2015-11-12" at 219.6,-45.9 h1.1
  text "INITIAL:" at 206.325,-46.025 h1.1
  text "Er(Top-L2) = 4.2" at 95.25,-47.65 h1.5
  text "L3: PWR/Signal/GND" at 8.7,-48.8 h1.52
  text "ASM TOP: Assembly top" at 40.75,-48.9 h1.52
  text "2015-11-13" at 219.375,-49.75 h1.1
  text "CHECKED:" at 206.475,-49.8 h1.1
  text "L11-Bottom -> 173um thick" at 94.75,-51.15 h1.5
  text "L4: Signal/PWR/GND" at 8.7,-51.8 h1.52
  text "ASM BOT: Assembly bottom" at 40.75,-51.9 h1.52
  text "2015-11-??" at 219.35,-53.675 h1.1
  text "RECHECKED:" at 206.45,-53.7 h1.1
  text "BOTTOM LAYER COPPER FOIL THICKNESS: 17.5 um" at 95,-53.9 h1.5
  text "L5: Signal/PWR/GND" at 8.8,-54.8 h1.52
  text "Mechanical 13: Component 3D body" at 40.75,-54.9 h1.52
  text "Er(L11-Bottom) = 4.2" at 95.25,-56.65 h1.5
  text "LAYOUT STATUS" at 211.6,-57.1 h1.1
  text "L6: PWR/GND" at 8.7,-57.65 h1.52
  text "L7: PWR/GND" at 8.8,-60.65 h1.52
  text "2015-11-12" at 219.275,-60.85 h1.1
  text "INITIAL:" at 206.325,-60.875 h1.1
  text "DIF. PAIR WIDTH: 0.2mm" at 94.85,-61.775 h1.5
  text "SE TRACK WIDTH: 0.309mm" at 154.85,-61.775 h1.5
  text "L8: Signal/PWR/GND" at 8.625,-63.625 h1.52
  text "DIF. PAIR SPACING: 0.14mm" at 94.925,-64.4 h1.5
  text "2015-11-13" at 219.075,-64.625 h1.1
  text "SE IMPEDANCE: 49.9998 Ohms" at 154.925,-64.65 h1.5
  text "CHECKED:" at 206.475,-64.65 h1.1
  text "L9: GND/PWR" at 8.725,-66.2 h1.52
  text "DIFFERENTIAL IMPEDANCE: 100.752 Ohms" at 94.925,-67.15 h1.5
  text "TOLERANCE: +/- 10%" at 154.925,-67.65 h1.5
  text "RECHECKED:" at 206.45,-68.55 h1.1
  text "2015-11-??" at 219.05,-68.55 h1.1
  text "L10: CLK/Signal" at 8.8,-68.85 h1.52
  text "RF / (top)" at 93.5,-69.5 h2 r90
  text "TOLERANCE: +/- 10%" at 94.925,-70.15 h1.5
  text "L11: GND" at 8.85,-71.65 h1.52
  text "Bottom: Signal/PWR/GND" at 9,-74.275 h1.52
  text "DIF. PAIR WIDTH: 0.3mm" at 94.9,-74.8 h1.5
  text "SE TRACK WIDTH: 0.309mm" at 154.6,-75.2 h1.5
  text "DIF. PAIR SPACING: 0.2mm" at 94.975,-77.425 h1.5
  text "SE IMPEDANCE: 49.9998 Ohms" at 154.675,-78.075 h1.5
  text "DIFFERENTIAL IMPEDANCE: 85 Ohms" at 94.975,-80.175 h1.5
  text "TOLERANCE: +/- 10%" at 154.675,-81.075 h1.5
  text "TOLERANCE: +/- 10%" at 94.975,-83.175 h1.5
  text "PCI / express / (top and bottom)" at 94,-89.5 h2 r90
  text "INTERNAL LAYER COPPER FOIL THICKNESS: 33 um" at 94.7,-93.675 h1.5
ASM BOT:
  lines w0.15: 43.625,50.324 45.1,50.925 ; 43.725,48.175 45.1,48.95 ; 43.725,49.275 45.2,50.1 ; 44.525,47.075 45.975,46.9 ; 45.1,39.775 45.8,39.575 ; 45.474,37.706 45.65,37.075 ; 45.575,45.8 46.825,45.75 ; 46.074,42.406 47.525,42.075 ; 46.075,43.5 47.5,43.175 ; 46.75,48.225 47.95,48.025 ; 47.35,40.95 48.675,40.95 ; 47.6,36.9 47.9,36.375 ; 48.175,44.25 49.575,44.25 ; 48.975,38 50.15,38.175 ; 50.15,39.1 50.2,39.6 ; 57.925,64.875 58.15,63.5 ; 58.425,54.05 58.5,55.225 ; 59.35,54.05 59.4,55.975 ; 60.575,58.425 62.325,59.175 ; 60.65,60.825 61.726,60.75 ; 61.05,32.9 61.475,32.275 ; 61.15,54.075 61.225,55.075 ; 61.726,56.448 62.15,54.225 ; 62.726,56.448 63.675,56.8 ; 62.751,60.75 63.625,61.1 ; 63.475,33.425 63.675,32.275 ; 71.05,31.775 71.275,32.3 ; 71.85,28.3 72.45,28.725 ; 75.075,56.95 76.2,57 ; 76.525,38.05 77.025,39.1 ; 76.925,55.15 77.4,54.55 ; 78.225,57.025 78.6,57.4 ; 79.1,55.15 79.5,54.55 ; 80.1,56.925 80.2,57.9 ; 81.4,57.9 82,57.1 ; 81.7,54.55 81.725,55.075 ; 81.925,59.425 83.675,59.025 ; 83.9,54.55 85.625,54.55 ; 89.575,33.6 90.725,33.425 ; 94,31.775 94.575,31.725 ; 57.75,47.65 57.75,47.65
  lines w0.3: 28.8,57.9 28.8,70.725 29.05,70.975 34.7,70.975 44.825,60.85 44.825,53.35 42.4,50.925 42.4,47.25 43.275,46.375 ; 49.425,29.75 49.425,33.4 51.75,33.4 ; 54.35,15.05 54.35,14.275 34.55,14.275 34.55,16.9 34.55,28.225 45.625,28.225 45.625,29.7 57.3,29.7 57.3,15.575 55.7,15.575 ; 55.65,30.6 51.85,30.6 51.85,46.075 58.525,46.075 ; 57.675,30.675 60.125,30.675 60.25,30.675 60.25,29.35 ; 68.875,29.1 71.95,29.1 ; 72.05,46.525 75.15,46.525 75.15,46.175 ; 73.225,29.125 75.7,29.125 75.7,30.875 ; 74.4,42.125 74.4,43.475 ; 75.725,32.725 75.725,39.775 ; 76.725,50.575 76.725,53.525 85.225,53.525 ; 77.15,32.375 77.15,37.65 ; 92.95,53.425 97.9,53.425 97.9,53.025 ; 98.05,30.05 99.5,30.05 99.5,33.9 ; 98.7,49.3 98.7,50.625 ; 99.5,31.975 105.9,31.975 105.9,11.925 ; 19.575,30.325 19.575,17.8 33.975,17.8 33.975,28.15 36.35,30.525 39.275,30.525 39.8,31.05 43.45,31.05 45.75,33.35 45.75,34.975 43.775,36.95 42.1,36.95 40.2,38.85 37.7,38.85 ; 19.575,30.325 19.575,39.025 ; 19.575,30.325 22.175,30.325 30.35,30.325 36.775,36.75 36.775,37.925 37.7,38.85 ; 19.575,39.025 14.875,43.725 14.875,57.7 28.9,57.7 32.95,53.65 32.95,50.325 34.475,48.8 37.975,48.8 38.65,48.125 38.65,46.9 40.25,45.3 40.25,43.275 36.975,40 36.55,40 ; 19.575,39.025 29.75,39.025 30.7,39.975 31.6,39.975 32.15,40.525 33.175,40.525 33.7,40 36.55,40 ; 36.55,40 37.7,38.85 ; 0,4.5 0,68.9 136.85,68.9 136.85,12.75 79.3,12.75 79.3,0.5 78.8,0 58.6,0 58.1,0.5 58.1,7.45 ccw(c57.15,7.45) 56.2,7.45 56.2,0.5 55.7,0 45.5,0 45,0.5 45,10.925 ccw(c43.175,10.925) 41.35,10.925 41.35,4.5 33.35,4.5 33.35,12.75 15,12.75 15,4.5 0,4.5 ; 91.025,-14.475 91.025,11.925 121.925,11.925 121.925,-14.475 91.025,-14.475
  text "Assembly bottom" at 72.075,70.55 h1.25
  text "or" at 66.775,51.85 h0.55
  text "IC14" at 51.8,22.175 h0.99
  text "IC11" at 42.55,21.325 h0.99
  text "C120" at 110.375,9.4 h0.99
  text "C119" at 105.35,2.65 h0.99 r270
  text "C100" at 95.95,-0.525 h0.99
  text "C102" at 99.25,-5 h0.99 r270
  text "C131" at 120.425,-8.05 h0.99
ASM TOP:
  lines w0.15: 20.55,41.975 25.3,43.675 ; 98.25,38.525 100.425,38.525 ; 101.25,34.975 100.425,34.975 100.425,38.525 ; 101.275,40.3 100.425,40.3 100.425,38.525 ; 116.2,31.025 117.824,30.476 ; 116.4,31.95 117.824,31.526 ; 121.324,28.576 122.575,28.75 ; 93.925,34.85 98.25,34.85 98.25,39.9 93.925,39.9 93.925,34.85
  lines w0.3: -43.7,-6.03 -43.7,-5.3 ; 0,4.5 15,4.5 15,12.75 33.35,12.75 33.35,4.5 41.35,4.5 41.35,10.925 cw(c43.175,10.925) 45,10.925 45,0.5 45.5,0 55.7,0 56.2,0.5 56.2,7.45 cw(c57.15,7.45) 58.1,7.45 58.1,0.5 58.6,0 78.8,0 79.3,0.5 79.3,12.75 136.85,12.75 136.85,68.9 0,68.9 0,4.5
  text "Assembly top" at 56.9,72.925 h1.25

## Dimensions
0,68.9 to 136.85,68.9 on ASM TOP
0,68.9 to 0,4.5 on ASM TOP
0,68.9 to 0,0 on ASM TOP

## Text inside footprints (layer, text, board x,y; h text height)
J1: ASM TOP "in" at 15.925,44.875 h0.9 r90
J2: ASM TOP "in" at 32.5,62.775 h0.9 r90
J3: ASM TOP "in" at 20.4,60.65 h0.9 r90
J4: ASM TOP "in" at 48.425,61.7 h0.9
J5: ASM TOP "in" at 40.1,19.075 h0.9
J6: ASM TOP "in" at 16.025,25 h0.9 r90
J7: ASM TOP "in" at 48.075,20.475 h0.9
J8: ASM TOP "in" at 20.8,18.925 h0.9 r90
J9: ASM TOP "in" at 31.95,17.7 h0.9 r90
J10: ASM TOP "in" at 15.775,33.75 h0.9 r90
J12: TopOverlay "10" at 124.55,56.025 h0.7 r90; TopOverlay "2" at 119.45,56.125 h0.7 r90; TopOverlay "9" at 124.55,48.125 h0.7 r90; TopOverlay "1" at 119.45,48.325 h0.7 r90
J13: TopOverlay "10" at 116.5,56.05 h0.7 r90; TopOverlay "2" at 111.4,56.15 h0.7 r90; TopOverlay "9" at 116.5,48.15 h0.7 r90; TopOverlay "1" at 111.4,48.35 h0.7 r90
J15: ASM TOP "in" at 70,43.05 h0.9
L1: ASM TOP "no polarity" at 125.121,22.901 h0.6
L2: ASM TOP "no polarity" at 103.487,32.362 h0.55 r270
LED1: ASM TOP "A" at 0.775,17.325 h0.55 r270; ASM TOP "C" at 0.775,15.525 h0.55 r270
LED4: ASM TOP "A" at 2.625,17.325 h0.55 r270; ASM TOP "C" at 2.625,15.525 h0.55 r270
LED5: ASM TOP "C" at 109.455,63.875 h0.55 r90; ASM TOP "A" at 109.455,62.075 h0.55 r90
LED6: ASM TOP "C" at 112.1,63.875 h0.55 r90; ASM TOP "A" at 112.1,62.075 h0.55 r90
LED7: ASM TOP "C" at 114.805,63.875 h0.55 r90; ASM TOP "A" at 114.805,62.075 h0.55 r90
LED8: ASM TOP "C" at 117.505,63.875 h0.55 r90; ASM TOP "A" at 117.505,62.075 h0.55 r90
LED9: ASM TOP "C" at 106.775,63.875 h0.55 r90; ASM TOP "A" at 106.775,62.075 h0.55 r90
LED10: ASM TOP "C" at 104.075,63.875 h0.55 r90; ASM TOP "A" at 104.075,62.075 h0.55 r90
LEDS1: ASM TOP "PCB edge" at -0.425,14.3 h0.5 r90; ASM TOP "C" at 5.3,14.625 h0.55 r90; ASM TOP "A" at 5.2,17.125 h0.55 r90; ASM TOP "C" at 7.8,14.725 h0.55 r90; ASM TOP "A" at 7.7,17.125 h0.55 r90
SW1: ASM TOP "8" at 124.64,60.3 h0.55 r180; ASM TOP "1" at 124.525,65.85 h0.55